# Altium PCB Spektrop2_Processor_Board_V1.PcbDoc (part 2 of 4) (continued)
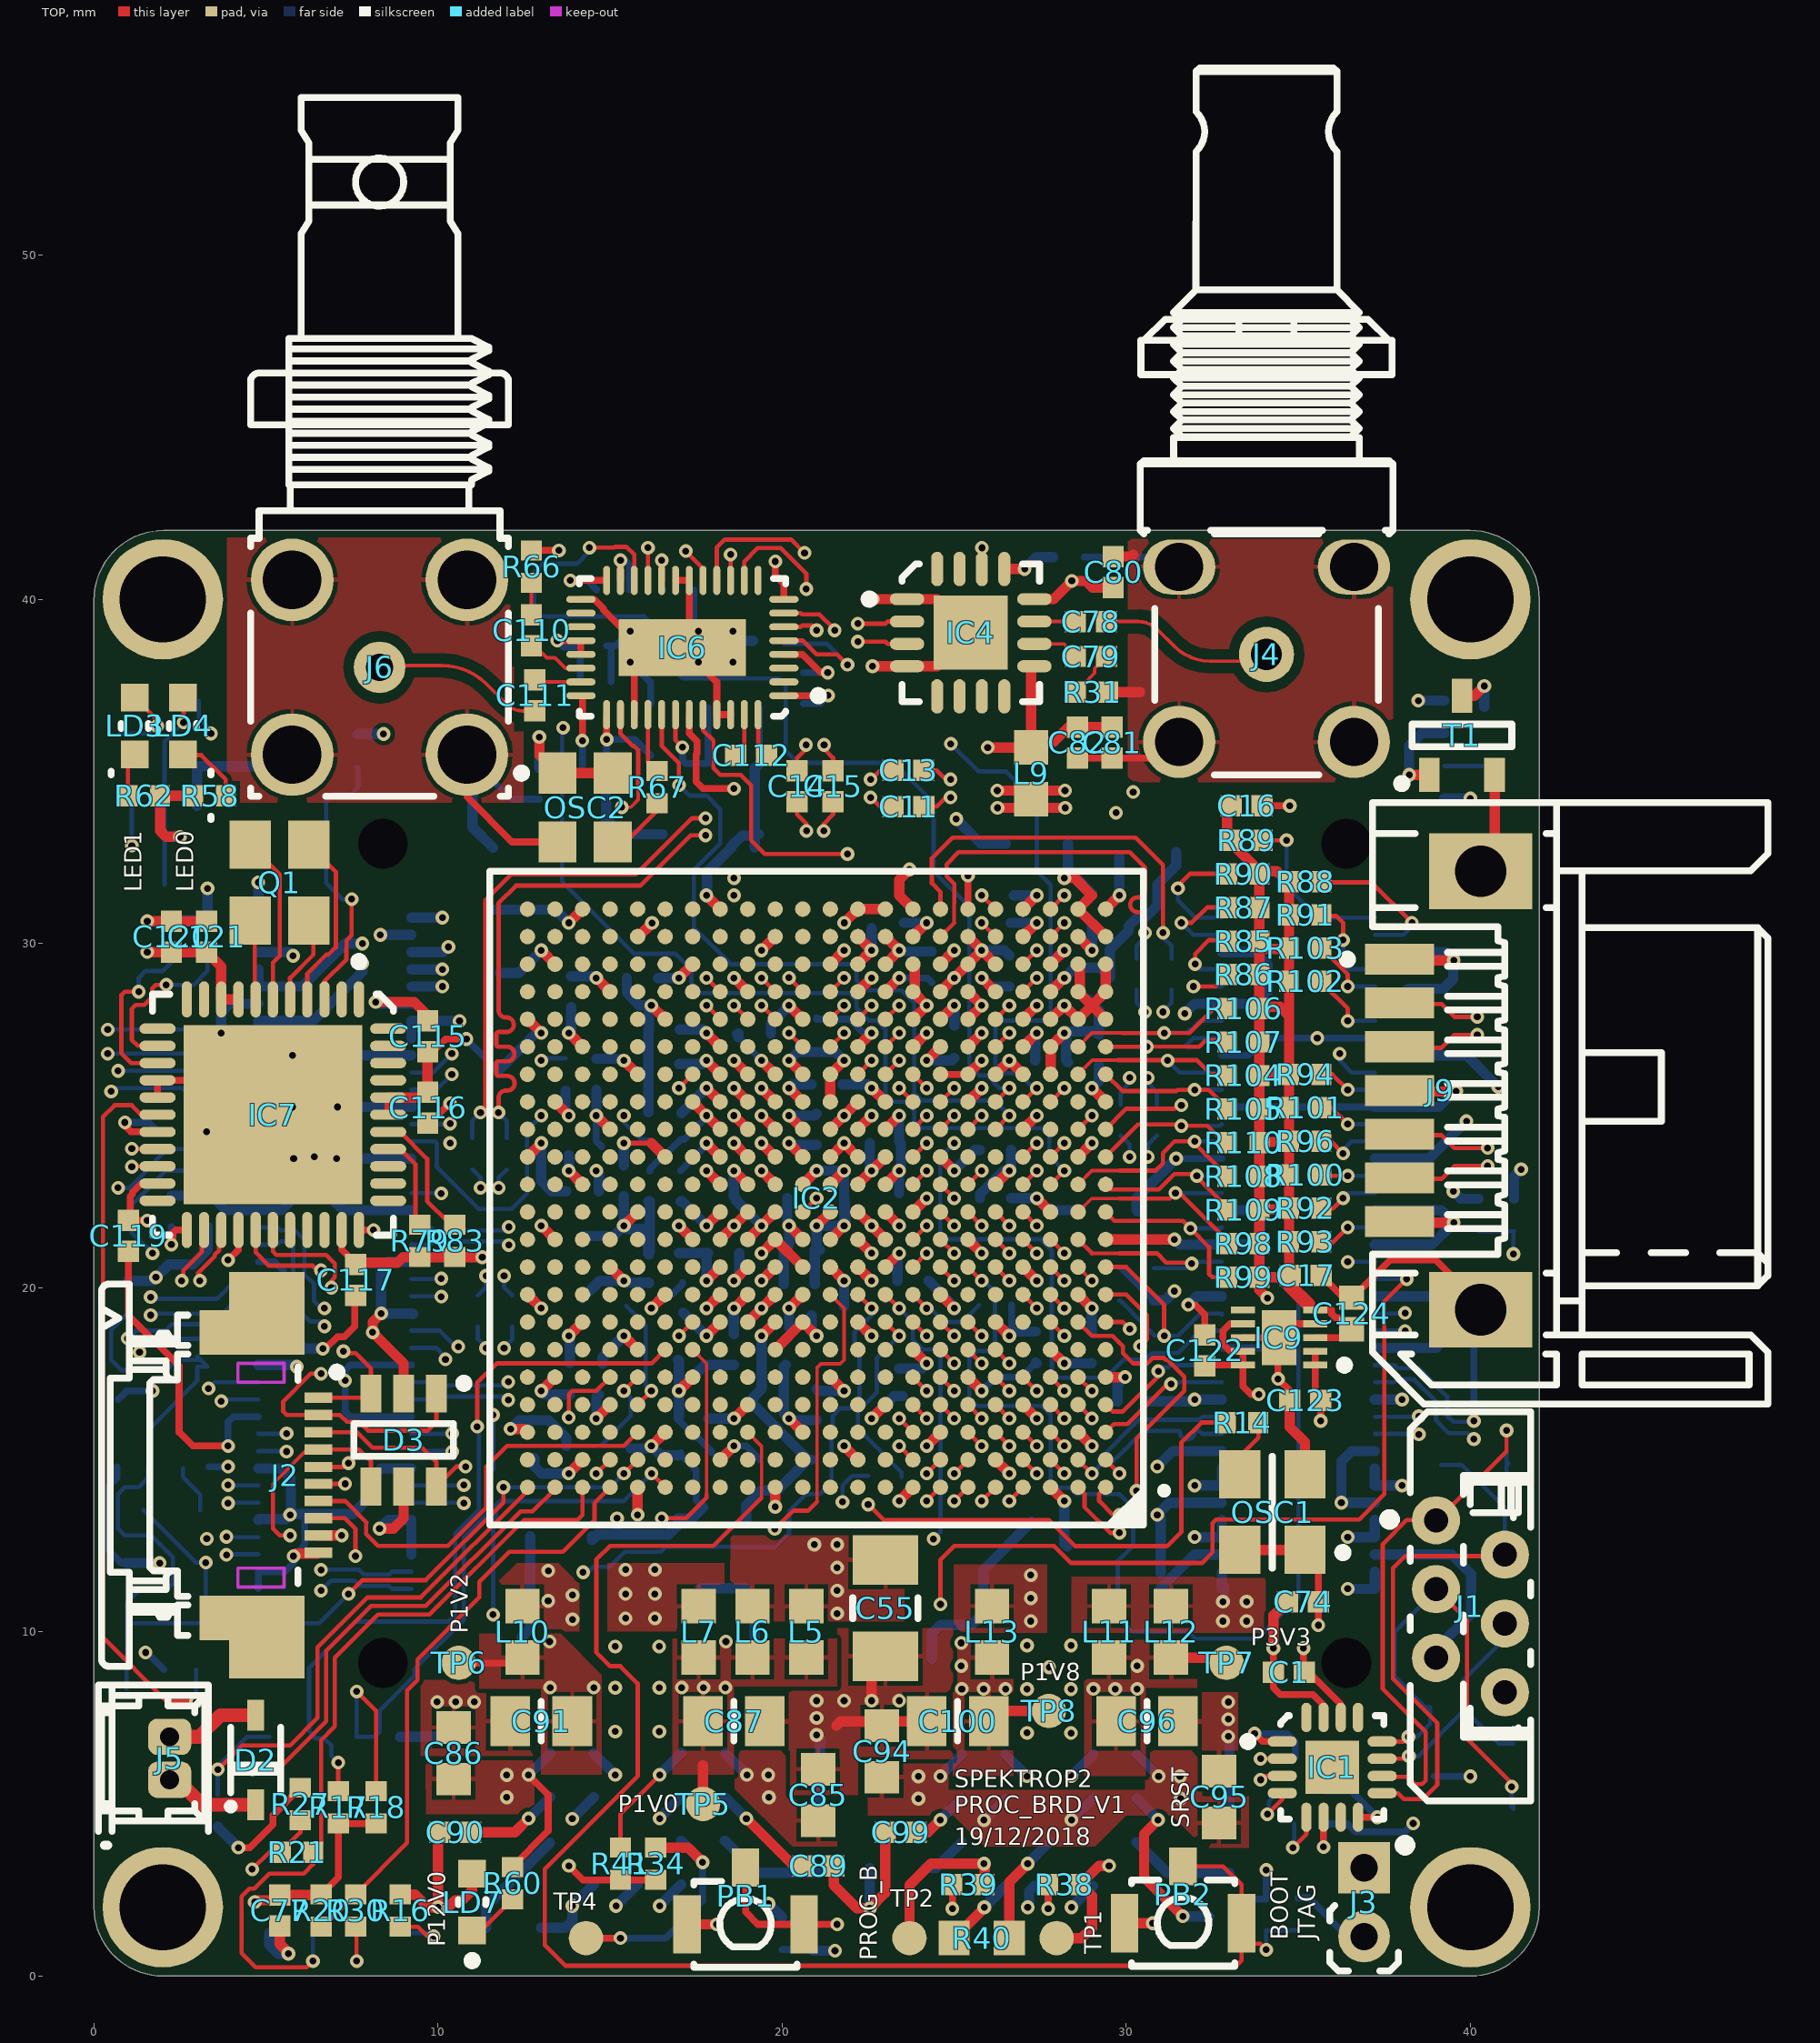
[diagram p0: TOP view]
## Nets (pads, with @x,y where several pads share a name; then routed paths per layer and width w, separated by ;. In a path a pad name is that pad's centre, name@x,y a point inside that pad or via, vN(x,y) a via of type N, cw(c..) or ccw(c..) an arc to the next point about the centre after c; other vN are vias at no path point) (continued)
  BTM w0.125: v1(11.918,20.345) 11.918,20.015 C7.2@12.158,19.776
CLK_MGT1_C_P: C6.2 IC2.U5 | length 36.2
  TOP w0.125: IC2.U5@26.199,27 v1(26.599,27.4)
  L2 w0.1: v1(11.393,20.345) 11.393,20.35 11.763,20.72 12.963,20.72 15.243,23 19.568,23 20.989,24.421 20.989,29.787 19.376,31.4 v1(18.6,31.4)
  L5 w0.1: v1(18.6,31.4) 18.7,31.5 19.324,31.5 19.9,32.076 19.9,33.6 20.2,33.9 21.5,33.9 22.5,32.9 25.558,32.9 26.229,32.23 26.229,27.77 v1(26.599,27.4)
  BTM w0.125: C6.2@11.153,19.776 11.393,20.015 v1(11.393,20.345)
CLK_MGT1_N: C7.1 IC7.24 | length 15.2
  TOP w0.125: v1(2.552,20.2) 2.6,20.248 2.6,20.5 3.137,21.037 3.137,21.612 IC7.24@3.2,21.675
  L2 w0.1: v1(2.552,20.2) v1@2.665,20.087
  L5 w0.1: v1(2.552,20.2) 2.665,20.087 2.665,19.735 5.946,16.454 10.24,16.454 10.386,16.6 11.324,16.6 11.6,16.876 11.6,17.57 11.806,17.776 11.806,18.129 v1(11.918,18.241) v1@11.918,18.132
  BTM w0.125: v1(11.918,18.241) 11.918,18.263 12.158,18.503 C7.1@12.158,18.876
CLK_MGT1_P: C6.1 IC7.25 | length 15
  TOP w0.125: v1(3.077,20.2) 3.03,20.248 3.03,20.43 3.512,20.912 3.512,20.961 3.638,21.086 3.638,21.612 IC7.25@3.7,21.675
  L5 w0.1: v1(3.077,20.2) 3.077,19.747 3.224,19.6 ccw(c3.366,19.741) 3.507,19.6 ; 3.507,19.6 3.535,19.628 cw(c3.677,19.487) 3.818,19.628 cw(c3.677,19.487) 3.818,19.345 3.79,19.317 ccw(c3.931,19.176) 3.79,19.034 ccw(c3.931,19.176) 4.073,19.034 4.101,19.063 cw(c4.242,18.921) 4.384,19.063 cw(c4.242,18.921) 4.384,18.78 4.356,18.751 ccw(c4.497,18.61) 4.356,18.469 4.624,18.2 6.07,16.754 10.115,16.754 10.261,16.9 11.2,16.9 11.3,17 11.3,17.694 11.506,17.9 11.506,18.129 v1(11.393,18.241)
  BTM w0.125: C6.1@11.153,18.876 11.153,18.503 11.393,18.263 v1(11.393,18.241)
COAXPRESS_UPLINK: IC2.R3 IC4.14 | length 26.5
  TOP w0.125: IC4.14@25.804,40.881 v1(25.804,41.496) ; IC2.R3@27.799,25.4 v1(28.199,25.8)
  L2 w0.1: v1(28.199,25.8) 28.7,26.3 29.2,26.3 29.8,25.7 30.8,25.7 31.325,26.225 31.355,26.225 32.375,27.245 32.375,30.625 31.9,31.1 31,31.1 29.7,32.4 v1(29.7,33.8) ; v1(30.2,34.4) 30.2,35.3
  L2 w0.125: v1(25.804,41.496) 26.76,41.496 26.783,41.52 27.311,41.52 27.331,41.5 29.2,41.5 30.2,40.5 30.2,35.3
  L5 w0.1: v1(29.7,33.8) 29.6,33.8 29.65,33.85 v1(30.2,34.4)
DONE: IC2.T10 R12.1 T1.1 | length 25.5
  TOP w0.125: IC2.T10@22.199,26.2 v1(22.599,26.6)
  TOP w0.3: v1(38.219,34.897) T1.1@38.803,34.897
  L5 w0.1: v1(22.599,26.6) 22.949,26.95 26.75,26.95 27,27.2 27,32.75 27.65,33.4 35.3,33.4 36.1,34.2 37.522,34.2 v1(38.219,34.897)
  BTM w0.3: v1(38.219,34.897) 38.219,35.744 38.592,36.117 R12.1@39.242,36.117
FPGA_BANK13_IO0: IC2.T16 J7.33 | length 10.9
  TOP w0.125: v1(16.999,25.8) IC2.T16@17.399,26.2
  L2 w0.125: v1(10.094,22.738) 10.657,23.3 13.187,23.3 13.787,23.9 14.8,23.9 15.1,23.6 16.6,23.6 16.9,23.9 16.9,25.7 v1(16.999,25.8)
  BTM w0.125: J7.33@9.225,22.75 10.082,22.75 v1(10.094,22.738)
FPGA_BANK13_IO1: IC2.V13 J7.25 | length 12.2
  TOP w0.125: v1(19.399,28.2) IC2.V13@19.799,27.8
  L2 w0.125: v1@10.487,24.625 11.842,24.625 12.654,25.437 14.937,25.437 16.462,26.962 18.362,26.962 19.399,27.999 v1(19.399,28.2)
  BTM w0.125: J7.25@9.225,24.75 10.337,24.75 v1(10.349,24.763)
FPGA_BANK13_IO2: IC2.V14 J7.21 | length 11
  TOP w0.125: v1(18.599,28.2) IC2.V14@18.999,27.8
  L2 w0.125: v1(10.4,26.2) 14.1,26.2 15.662,27.762 18.162,27.762 v1(18.599,28.2)
  BTM w0.125: J7.21@9.225,25.75 9.95,25.75 v1(10.4,26.2)
FPGA_BANK13_IO3: IC2.V15 J7.19 | length 10.4
  TOP w0.125: v1(17.799,28.2) IC2.V15@18.199,27.8
  L2 w0.125: v1(10.4,26.8) 10.948,26.8 11.153,27.005 14.105,27.005 15.8,28.7 16.5,28.7 17,28.2 v1(17.799,28.2)
  BTM w0.125: J7.19@9.225,26.25 9.85,26.25 v1(10.4,26.8)
FPGA_BANK13_IO4: IC2.W15 J7.28 | length 29
  TOP w0.125: v1(17.799,29) IC2.W15@18.199,28.6
  L2 w0.125: v1(0.5,25.7) 1.45,25.7 1.75,26 1.75,27.55 0.8,28.5 0.8,29.1 1,29.3 2.4,29.3 3.9,27.8 9.7,27.8 10.1,28.2 12.7,28.2 14,29.5 17.299,29.5 v1(17.799,29)
  BTM w0.125: v1(0.5,25.7) 0.6,25.8 2.561,25.8 4.036,24.325 4.7,24.325 J7.28@4.775,24.25
FPGA_BANK13_IO5: IC2.W12 J7.22 | length 32.1
  TOP w0.125: v1(20.199,29.004) IC2.W12@20.599,28.604
  L2 w0.125: v1(0.4,26.8) 0.8,27.2 0.8,27.648 0.276,28.172 0.276,30.776 1.9,32.4 7.4,32.4 8.5,31.3 17.351,31.3 17.851,30.8 19.1,30.8 20.199,29.701 v1(20.199,29.004)
  BTM w0.125: v1(0.4,26.8) 2.8,26.8 3.85,25.75 J7.22@4.775,25.75
FPGA_BANK13_IO6: IC2.W13 J7.26 | length 29.7
  TOP w0.125: v1(19.399,29) IC2.W13@19.799,28.6
  L2 w0.125: v1(0.7,26.3) 1.1,26.7 1.1,27.702 0.526,28.276 0.526,29.326 1.4,30.2 2.3,30.2 3.7,28.8 8.2,28.8 9.7,30.3 13.3,30.3 13.5,30.1 18.299,30.1 v1(19.399,29)
  BTM w0.125: v1(0.7,26.3) 2.663,26.3 4.213,24.75 J7.26@4.775,24.75
FPGA_BANK13_IO7: IC2.V11 J7.34 | length 44.4
  TOP w0.125: IC2.V11@21.399,27.8 v1(21.799,28.2)
  L5 w0.1: v1(1.7,21) 1,21 0.3,21.7 0.3,24.9 2.5,27.1 2.5,32.3 3.7,33.5 6.9,33.5 8.15,34.75 8.704,34.75 10.954,32.5 15.5,32.5 17.3,30.7 20.8,30.7 21.338,30.162 21.949,30.162 22.162,29.95 22.162,29.938 22.2,29.9 22.2,28.6 v1(21.799,28.2)
  BTM w0.125: v1(1.7,21) 1.1,21.6 1.1,22.4 1.753,23.053 1.753,23.063 2.09,23.4 3.5,23.4 4.15,22.75 J7.34@4.775,22.75
FPGA_BANK13_IO8: IC2.W11 J7.32 | length 37.8
  TOP w0.125: IC2.W11@21.399,28.6 v1(21.799,29)
  L5 w0.1: v1(0.7,22.9) 0.7,24.168 0.945,24.412 1.112,24.412 1.45,24.75 3,26.3 3,31.37 2.925,31.445 2.925,32.175 3.75,33 6.9,33 8.15,34.25 8.65,34.25 10.9,32 15.4,32 17.1,30.3 20.499,30.3 v1(21.799,29)
  BTM w0.125: v1(0.7,22.9) 1.036,22.9 1.488,23.352 1.488,23.388 2.127,24.027 3.434,24.027 4.211,23.25 J7.32@4.775,23.25 J7.32@4.814,23.25
FPGA_BANK13_IO9: IC2.U11 J7.20 | length 40.3
  TOP w0.125: IC2.U11@21.399,27 v1(21.799,27.4)
  L5 w0.1: v1(0.4,27.5) 0.5,27.6 0.5,33.25 1.25,34 6.9,34 8.15,35.25 8.85,35.25 11.1,33 15.6,33 17.563,31.037 17.949,31.037 ; 17.95,31.038 22.062,31.038 23,30.1 23,28 22.8,27.8 22.2,27.8 v1(21.799,27.4)
  BTM w0.125: v1(0.4,27.5) 2.8,27.5 4.05,26.25 J7.20@4.775,26.25
FPGA_BANK13_IO10: IC2.U12 J7.27 | length 17.1
  TOP w0.125: v1(20.199,27.4) IC2.U12@20.599,27
  L2 w0.125: v1(12.999,25) 13.505,24.494 13.994,24.494 14.1,24.6 15.7,24.6 16,24.9 16,25.7 16.6,26.3 17.4,26.3 17.5,26.2 18.712,26.2 19.037,26.524 19.037,26.75 19.686,27.4 v1(20.199,27.4)
  BTM w0.125: J7.27@9.225,24.25 9.913,24.25 9.961,24.202 9.961,23.512 11.189,22.284 12.141,22.284 12.585,22.728 12.585,24.578 v1@13.003,24.996
FPGA_BANK34_DIFF1_N: IC2.E7 J7.45 | length 19.8
  TOP w0.125: IC2.E7@24.599,17.4 v1(24.999,17)
  L5 w0.1: v1(10.094,19.738) 10.207,19.85 10.5,19.85 10.85,19.5 11.9,19.5 15.1,16.3 16.1,16.3 17.9,14.5 20.4,14.5 22.7,16.8 23.904,16.8 24.054,16.65 24.649,16.65 v1(24.999,17)
  BTM w0.125: J7.45@9.225,19.75 10.082,19.75 v1(10.094,19.738)
FPGA_BANK34_DIFF1_P: IC2.F7 J7.43 | length 19.9
  TOP w0.125: IC2.F7@24.599,18.2 v1(24.999,17.8)
  L5 w0.1: v1(10.094,20.263) 10.207,20.15 10.624,20.15 10.974,19.8 12.024,19.8 15.224,16.6 16.224,16.6 18.024,14.8 20.276,14.8 22.576,17.1 23.805,17.1 24.054,17.35 24.549,17.35 v1(24.999,17.8)
  BTM w0.125: J7.43@9.225,20.25 10.082,20.25 v1(10.094,20.263)
FPGA_BANK34_DIFF2_N: IC2.D6 J7.69 | length 18.5
  TOP w0.125: IC2.D6@25.399,16.6 v1(25.799,16.2)
  L2 w0.1: v1(10.75,13.737) 10.863,13.85 11.2,13.85 11.55,13.5 13.524,13.5 13.824,13.8 17.124,13.8 17.724,14.4 21.3,14.4 21.6,14.7 23.805,14.7 24.054,14.95 24.549,14.95 v1(25.799,16.2)
  BTM w0.125: J7.69@9.225,13.75 10.737,13.75 v1(10.75,13.737)
FPGA_BANK34_DIFF2_P: IC2.D7 J7.67 | length 18.4
  TOP w0.125: IC2.D7@24.599,16.6 v1(24.999,16.2)
  L2 w0.1: v1@10.755,14.262 v1(10.75,14.262) 10.863,14.15 11.324,14.15 11.674,13.8 12.2,13.8 ccw(c12.2,14) 12.4,14 12.4,14.1 cw(c12.6,14.1) 12.6,14.3 cw(c12.6,14.1) 12.8,14.1 12.8,14 ccw(c13,14) 13,13.8 13.1,13.8 13.4,13.8 13.7,14.1 17,14.1 17.6,14.7 21.176,14.7 21.476,15 23.68,15 23.849,15.169 23.849,15.545 24.054,15.75 24.549,15.75 v1(24.999,16.2)
  BTM w0.125: J7.67@9.225,14.25 10.738,14.25 v1(10.75,14.262)
FPGA_BANK34_DIFF3_N: IC2.D8 J7.57 | length 16.7
  TOP w0.125: IC2.D8@23.799,16.6 v1(24.199,16.2)
  L2 w0.1: v1(12.042,16.738) 12.155,16.85 12.4,16.85 12.6,16.65 13.144,16.65 13.295,16.8 14.524,16.8 15.124,17.4 17.2,17.4 17.4,17.6 22.6,17.6 23.75,16.45 23.9,16.45 23.949,16.45 v1(24.199,16.2)
  BTM w0.125: J7.57@9.225,16.75 9.787,16.75 9.875,16.838 v1@12,16.838 ; v1@12.03,16.75 v1(12.042,16.738)
FPGA_BANK34_DIFF3_P: IC2.E8 J7.55 | length 16.5
  TOP w0.125: IC2.E8@23.799,17.4 v1(24.199,17)
  L2 w0.1: v1(12.042,17.263) 12.102,17.202 12.155,17.15 12.655,17.15 12.854,17.35 13.144,17.35 13.394,17.1 14.4,17.1 15,17.7 17.076,17.7 17.276,17.9 22.724,17.9 23.625,17 v1(24.199,17)
  BTM w0.125: J7.55@9.225,17.25 9.787,17.25 9.875,17.163 v1@12,17.163 ; v1@12.03,17.25 v1(12.042,17.263)
FPGA_BANK34_DIFF4_N: IC2.G7 J7.39 | length 18.8
  TOP w0.125: IC2.G7@24.599,19 v1(24.999,18.6)
  L5 w0.1: v1(12.052,21.238) 12.165,21.35 12.3,21.35 14.6,19.05 14.6,18.276 15.176,17.7 23.605,17.7 24.054,18.15 24.549,18.15 v1(24.999,18.6)
  BTM w0.125: J7.39@9.248,21.273 J7.39@9.225,21.25 9.787,21.25 9.875,21.338 11.952,21.338 v1(12.052,21.238)
FPGA_BANK34_DIFF4_P: IC2.G8 J7.37 | length 18.5
  TOP w0.125: IC2.G8@23.799,19 v1(24.199,18.6)
  L5 w0.1: v1(12.052,21.763) 12.165,21.65 12.424,21.65 12.774,21.3 ccw(c12.916,21.441) 13.057,21.3 13.128,21.371 cw(c13.269,21.229) 13.411,21.371 cw(c13.269,21.229) 13.411,21.088 13.34,21.017 ccw(c13.481,20.876) 13.34,20.734 13.481,20.593 13.5,20.574 14.9,19.174 14.9,18.4 15.3,18 23.48,18 23.93,18.45 24.049,18.45 v1(24.199,18.6)
  BTM w0.125: J7.37@9.225,21.75 9.787,21.75 9.875,21.663 11.952,21.663 v1(12.052,21.763)
FPGA_BANK34_DIFF5_N: IC2.E5 J7.51 | length 25.4
  TOP w0.125: IC2.E5@26.199,17.4 v1(26.599,17)
  L2 w0.1: v1(10.215,17.915) 10.215,18.074 9.906,18.382 9.906,19.006 10.1,19.2 12.124,19.2 12.424,18.9 13.18,18.9 13.88,19.6 15.4,19.6 16.9,21.1 19.049,21.1 19.049,21.145 19.254,21.35 19.544,21.35 19.794,21.1 22.205,21.1 22.454,21.35 22.744,21.35 23.049,21.045 23.049,20.855 23.579,20.325 24.299,20.325 24.875,19.75 25.144,19.75 25.394,19.5 26.624,19.5 27.5,18.624 27.5,17.625 27.124,17.25 26.849,17.25 v1(26.599,17)
  BTM w0.125: J7.51@9.225,18.25 9.95,18.25 10.215,17.985 v1(10.215,17.915)
FPGA_BANK34_DIFF5_P: IC2.F5 J7.49 | length 25.4
  TOP w0.125: IC2.F5@26.199,18.2 v1(26.599,17.8)
  L2 w0.1: v1(10.586,18.286) 10.427,18.286 10.206,18.506 10.206,18.806 10.3,18.9 12,18.9 12.3,18.6 13.305,18.6 14.005,19.3 15.524,19.3 16.1,19.876 16.241,20.017 16.383,20.159 cw(c16.524,20.017) 16.666,20.159 16.679,20.145 ccw(c16.82,20.287) 16.962,20.145 ccw(c16.82,20.287) 16.962,20.428 16.949,20.441 cw(c17.09,20.583) 16.949,20.724 17.024,20.8 17.224,20.8 17.573,20.8 cw(c17.573,20.749) 17.624,20.749 ccw(c17.824,20.749) 17.824,20.549 ccw(c17.824,20.749) 18.024,20.749 cw(c18.075,20.749) 18.075,20.8 18.373,20.8 cw(c18.373,20.749) 18.424,20.749 ccw(c18.624,20.749) 18.624,20.549 ccw(c18.624,20.749) 18.824,20.749 cw(c18.875,20.749) 18.875,20.8 19.1,20.8 19.25,20.65 19.544,20.65 19.695,20.8 19.895,20.8 20.095,20.8 cw(c20.095,20.6) 20.295,20.6 20.295,20.581 ccw(c20.495,20.581) 20.495,20.381 ccw(c20.495,20.581) 20.695,20.581 20.695,20.6 cw(c20.895,20.6) 20.895,20.8 21.5,20.8 22.2,20.8 22.35,20.65 22.83,20.65 23.454,20.025 24.175,20.025 24.649,19.551 24.649,19.255 24.854,19.05 25.144,19.05 25.295,19.2 26.5,19.2 27.2,18.5 27.2,17.75 27,17.55 26.849,17.55 v1(26.599,17.8)
  BTM w0.125: J7.49@9.225,18.75 10.051,18.75 10.515,18.286 v1(10.586,18.286)
FPGA_BANK34_DIFF6_N: IC2.F6 J7.40 | length 27.5
  TOP w0.125: IC2.F6@25.399,18.2 v1(25.799,17.8)
  L5 w0.1: v1(6.7,18.875) 6.825,19 7.4,19 9.2,20.8 10.5,20.8 11.925,22.225 15.575,22.225 17,20.8 19,20.8 19.15,20.65 19.544,20.65 19.695,20.8 22.2,20.8 22.35,20.65 22.744,20.65 23.294,20.1 24,20.1 24.649,19.451 24.649,19.255 24.854,19.05 25.05,19.05 25.449,18.651 25.449,18.455 25.799,18.105 v1(25.799,17.8)
  BTM w0.125: J7.40@4.775,21.25 5.338,21.25 5.425,21.338 5.703,21.338 5.788,21.253 5.788,20.253 6.075,19.965 6.075,19.225 6.288,19.012 6.7,19.012 v1(6.7,18.875)
FPGA_BANK34_DIFF6_P: IC2.G6 J7.38 | length 27.3
  TOP w0.125: IC2.G6@25.399,19 v1(25.799,18.6)
  L5 w0.1: v1(6.7,19.4) 6.8,19.3 7.276,19.3 9.076,21.1 10.376,21.1 11.801,22.525 15.699,22.525 17.124,21.1 19,21.1 19.25,21.35 19.544,21.35 19.794,21.1 22.2,21.1 22.245,21.145 22.249,21.145 22.454,21.35 22.744,21.35 23.049,21.045 23.049,20.855 23.504,20.4 24.124,20.4 24.775,19.75 25.144,19.75 25.349,19.545 25.349,19.05 v1(25.799,18.6)
  BTM w0.125: J7.38@4.775,21.75 5.338,21.75 5.425,21.663 5.837,21.663 6.113,21.387 6.113,20.387 6.4,20.1 6.4,19.6 6.6,19.4 v1(6.7,19.4)
FPGA_BANK34_DIFF7_N: IC2.B8 J7.63 | length 16
  TOP w0.125: v1(23.399,15.4) IC2.B8@23.799,15
  L2 w0.1: v1(10.411,15.237) 10.464,15.291 10.554,15.2 14.624,15.2 15.424,16 17.859,16 18.559,16.7 20.994,16.7 22.194,15.5 23.299,15.5 v1(23.399,15.4)
  BTM w0.125: J7.63@9.225,15.25 10.398,15.25 v1(10.411,15.237)
FPGA_BANK34_DIFF7_P: IC2.C8 J7.61 | length 16.1
  TOP w0.125: v1(23.399,16.2) IC2.C8@23.799,15.8
  L2 w0.1: v1(10.411,15.762) 10.416,15.762 10.678,15.5 14.5,15.5 15.3,16.3 17.734,16.3 18.434,17 21.118,17 22.318,15.8 23,15.8 v1(23.399,16.2)
  BTM w0.125: J7.61@9.225,15.75 10.398,15.75 v1(10.411,15.762)
FPGA_BANK34_DIFF8_N: IC2.B6 J7.64 | length 23.5
  TOP w0.125: v1(24.999,14.6) IC2.B6@25.399,15
  L2 w0.1: v1(5.6,15.238) 5.713,15.35 7.48,15.35 10.63,12.2 20.052,12.2 20.763,12.911 23.835,12.911 24.2,13.276 24.206,13.276 24.574,13.644 24.574,14.175 v1(24.999,14.6)
  BTM w0.125: J7.64@4.775,15.25 5.587,15.25 v1(5.6,15.238)
FPGA_BANK34_DIFF8_P: IC2.B7 J7.62 | length 23.4
  TOP w0.125: v1(24.199,14.6) IC2.B7@24.599,15
  L2 w0.1: v1(5.6,15.763) 5.712,15.65 6,15.65 ccw(c6,15.85) 6.2,15.85 6.2,15.95 cw(c6.4,15.95) 6.4,16.15 cw(c6.4,15.95) 6.6,15.95 6.6,15.85 ccw(c6.8,15.85) 6.8,15.65 7,15.65 7.4,15.65 7.605,15.65 7.746,15.509 7.827,15.427 10.755,12.5 19.928,12.5 20.639,13.211 23.711,13.211 23.824,13.324 23.824,14.225 v1(24.199,14.6)
  BTM w0.125: J7.62@4.775,15.75 5.587,15.75 v1(5.6,15.763)
FPGA_BANK34_DIFF9_N: IC2.A6 J7.70 | length 26.7
  TOP w0.125: v1(24.999,13.8) IC2.A6@25.399,14.2
  L5 w0.1: v1(3.9,13.737) 4.013,13.85 6.2,13.85 6.55,13.5 9.1,13.5 10.1,12.5 17.1,12.5 19.9,9.7 21.824,9.7 22.9,10.776 22.9,11.901 23.499,12.5 ; 23.5,12.5 24.8,13.8 v1(24.999,13.8)
  BTM w0.125: v1(3.9,13.737) 3.913,13.75 J7.70@4.775,13.75
FPGA_BANK34_DIFF9_P: IC2.A7 J7.68 | length 26.5
  TOP w0.125: v1(24.199,13.8) IC2.A7@24.599,14.2
  L5 w0.1: v1(3.9,14.262) 4.013,14.15 4.3,14.15 ccw(c4.3,14.35) 4.5,14.35 4.5,14.45 cw(c4.7,14.45) 4.7,14.65 cw(c4.7,14.45) 4.9,14.45 4.9,14.35 ccw(c5.1,14.35) 5.1,14.15 5.3,14.15 5.6,14.15 6.324,14.15 6.674,13.8 9.224,13.8 10.224,12.8 17.224,12.8 20.024,10 21.7,10 22.6,10.9 22.6,12.025 23.375,12.8 24.199,13.623 v1(24.199,13.8)
  BTM w0.125: v1(3.9,14.262) 3.913,14.25 J7.68@4.775,14.25
FPGA_BANK34_DIFF10_N: IC2.A4 J7.79 | length 26.9
  TOP w0.125: v1(26.599,13.8) IC2.A4@26.999,14.2
  L5 w0.1: v1(6.6,11.2) 6.75,11.35 7.12,11.35 7.245,11.475 8.901,11.475 11.476,8.9 22.224,8.9 24.162,10.838 24.162,11.338 26.174,13.35 26.174,13.375 v1(26.599,13.8)
  BTM w0.125: v1(6.6,11.2) 6.888,11.488 7.561,11.488 7.711,11.337 8.575,11.337 8.663,11.25 J7.79@9.225,11.25
FPGA_BANK34_DIFF10_P: IC2.A5 J7.77 | length 27
  TOP w0.125: v1(25.799,13.8) IC2.A5@26.199,14.2
  L5 w0.1: v1(6.6,11.8) 7.4,11.8 7.6,11.8 8,11.8 8.4,11.8 8.8,11.8 9,11.8 9.141,11.659 9.283,11.517 ccw(c9.424,11.659) 9.566,11.517 9.568,11.519 cw(c9.709,11.378) 9.851,11.519 cw(c9.709,11.378) 9.851,11.237 9.849,11.234 ccw(c9.99,11.093) 9.849,10.951 ccw(c9.99,11.093) 10.131,10.951 10.134,10.954 cw(c10.275,10.812) 10.417,10.954 cw(c10.275,10.812) 10.417,10.671 10.414,10.669 ccw(c10.556,10.527) 10.414,10.386 10.65,10.15 11.6,9.2 22.1,9.2 23.862,10.962 23.862,11.462 25.799,13.399 v1(25.799,13.8)
  BTM w0.125: v1(6.6,11.8) 6.67,11.73 6.753,11.813 7.695,11.813 7.845,11.662 8.575,11.662 8.663,11.75 J7.77@9.225,11.75
FPGA_BANK34_DIFF11_N: IC2.C5 J7.58 | length 35.1
  TOP w0.125: IC2.C5@26.199,15.8 v1(26.599,15.4)
  L2 w0.1: v1(3.7,16.7) 3.7,16.859 3.87,17.03 4.17,17.03 4.4,16.8 4.4,11.076 5.088,10.388 10.186,10.388 11.674,8.9 21.555,8.9 26.174,13.52 26.174,14.975 v1(26.599,15.4)
  BTM w0.125: v1(3.7,16.7) 3.75,16.75 J7.58@4.775,16.75
FPGA_BANK34_DIFF11_P: IC2.C6 J7.56 | length 35
  TOP w0.125: IC2.C6@25.399,15.8 v1(25.799,15.4)
  L2 w0.1: v1(3.329,17.071) 3.488,17.071 3.746,17.33 4.295,17.33 4.7,16.924 4.7,11.2 5.212,10.688 10.311,10.688 11.799,9.2 21.43,9.2 25.424,13.194 25.424,13.955 25.799,14.33 v1(25.799,15.4)
  BTM w0.125: v1(3.329,17.071) 3.508,17.25 J7.56@4.775,17.25
FPGA_BANK34_DIFF12_N: IC2.C4 J7.46 | length 47.2
  TOP w0.125: v1(1.65,19.2) v1@1.65,19.25 ; IC2.C4@26.999,15.8 v1(27.399,15.4)
  L2 w0.1: v1(1.65,19.2) 1.763,19.313 2.182,19.313 2.3,19.195 2.3,18.8 2.3,18.6 2.3,18.286 cw(c2.214,18.286) 2.214,18.2 ccw(c2.214,18) 2.014,18 ccw(c2.214,18) 2.214,17.8 cw(c2.214,17.714) 2.3,17.714 2.3,17.4 2.3,17.142 2.1,16.942 2.1,16.742 2.1,16.342 2.1,16.3 2.1,12.34 2.285,12.155 2.285,11.715 6.5,7.5 7.976,7.5 9.151,6.325 23.549,6.325 24.5,7.276 24.5,9.7 27.5,12.7 27.5,14.205 27.749,14.455 27.749,15.05 v1(27.399,15.4)
  BTM w0.125: v1(1.65,19.2) 1.7,19.25 3.752,19.25 4.252,19.75 J7.46@4.775,19.75 J7.46@4.814,19.75
FPGA_BANK34_DIFF12_P: IC2.D5 J7.44 | length 47.1
  TOP w0.125: IC2.D5@26.199,16.6 v1(26.599,16.2)
  L2 w0.1: v1(1.65,19.725) 1.762,19.613 2.306,19.613 2.6,19.319 2.6,17.018 2.4,16.818 2.4,12.465 2.585,12.28 2.585,11.839 6.624,7.8 8.1,7.8 9.275,6.625 23.425,6.625 24.2,7.4 24.2,9.824 27.2,12.824 27.2,14.268 27.026,14.442 27.026,15.773 v1(26.599,16.2)
  BTM w0.125: v1(1.65,19.725) 1.7,19.675 3.576,19.675 4.151,20.25 J7.44@4.775,20.25 J7.44@4.814,20.25
FPGA_BANK34_DIFF13_N: IC2.B3 J7.76 | length 35.7
  TOP w0.125: IC2.B3@27.799,15 v1(28.199,14.6)
  L5 w0.1: v1(3.85,12.237) 3.963,12.35 4.5,12.35 4.8,12.05 4.8,9.1 7.575,6.325 23.649,6.325 24.3,6.976 24.3,9.376 27.699,12.775 27.699,14.1 v1(28.199,14.6)
  BTM w0.125: v1(3.85,12.237) 3.863,12.25 J7.76@4.775,12.25
FPGA_BANK34_DIFF13_P: IC2.B4 J7.74 | length 35.7
  TOP w0.125: IC2.B4@26.999,15 v1(27.399,14.6)
  L5 w0.1: v1(3.85,12.762) 3.962,12.65 4.624,12.65 5.1,12.174 5.1,11.974 5.1,11.574 5.1,11.374 ccw(c5.3,11.374) 5.3,11.174 5.4,11.174 cw(c5.4,10.974) 5.6,10.974 cw(c5.4,10.974) 5.4,10.774 5.3,10.774 ccw(c5.3,10.574) 5.1,10.574 5.1,10.4 5.1,9.224 7.699,6.625 23.525,6.625 24,7.1 24,9.5 27.399,12.899 v1(27.399,14.6)
  BTM w0.125: v1(3.85,12.762) 3.862,12.75 J7.74@4.775,12.75
FPGA_BANK34_DIFF14_N: IC2.C3 J8.61 | length 12.8
  TOP w0.125: IC2.C3@27.799,15.8 v1(28.199,15.4)
  L5 w0.1: v1(28.199,15.4) 28.549,15.05 29.144,15.05 29.57,15.475 30.555,15.475 30.73,15.3 36.724,15.3 37.224,15.8 38.437,15.8 v1(38.5,15.737)
  BTM w0.125: J8.61@37.225,15.75 38.487,15.75 v1(38.5,15.737)
FPGA_BANK34_DIFF14_P: IC2.D3 J8.59 | length 12.7
  TOP w0.125: IC2.D3@27.799,16.6 v1(28.199,16.2)
  L5 w0.1: v1(28.199,16.2) 28.649,15.75 29.144,15.75 29.17,15.775 30.68,15.775 30.855,15.6 36.6,15.6 37.113,16.113 38.35,16.113 v1(38.5,16.262)
  BTM w0.125: J8.59@37.225,16.25 38.487,16.25 v1(38.5,16.262)
FPGA_BANK34_DIFF15_N: IC2.A1 J7.52 | length 58.6
  TOP w0.125: IC2.A1@29.399,14.2 29.212,14.012 29.212,13.8 29.612,13.4 v1(29.8,13.4)
  L2 w0.1: v1(1.325,18.125) 1.166,18.125 0.87,17.83 0.87,11.024 1.195,10.7 ccw(c1.336,10.841) 1.477,10.7 1.535,10.758 cw(c1.676,10.616) 1.818,10.758 cw(c1.676,10.616) 1.818,10.475 1.76,10.417 ccw(c1.902,10.276) 1.76,10.134 ccw(c1.902,10.276) 2.043,10.134 2.101,10.192 cw(c2.242,10.05) 2.384,10.192 cw(c2.242,10.05) 2.384,9.909 2.326,9.851 ccw(c2.467,9.71) 2.326,9.569 ccw(c2.467,9.71) 2.609,9.569 2.666,9.626 cw(c2.808,9.485) 2.949,9.626 cw(c2.808,9.485) 2.949,9.343 2.892,9.286 ccw(c3.033,9.144) 2.892,9.003 2.912,8.982 9.095,2.8 27.8,2.8 29.4,4.4 29.4,6.224 30.994,7.818 30.994,10.106 30.4,10.7 29.676,10.7 28.7,11.676 28.7,12.812 29.176,13.288 29.688,13.288 v1(29.8,13.4)
  BTM w0.125: v1(1.325,18.125) 1.603,18.403 2.337,18.403 2.447,18.513 3.653,18.513 3.915,18.25 J7.52@4.775,18.25 J7.52@4.814,18.25
FPGA_BANK34_DIFF15_P: IC2.A2 J7.50 | length 58.6
  TOP w0.125: IC2.A2@28.599,14.2 28.787,14.012 28.787,13.624 29.536,12.875 v1(29.8,12.875)
  L2 w0.1: v1(0.981,18.523) 0.981,18.364 0.57,17.954 0.57,10.9 8.97,2.5 27.924,2.5 29.7,4.276 29.7,6.1 31.3,7.7 31.3,7.8 31.294,7.806 31.294,10.23 30.524,11 29.8,11 29,11.8 29,12.688 29.3,12.988 29.687,12.988 v1(29.8,12.875)
  BTM w0.125: v1(0.981,18.523) 1.208,18.75 2.084,18.75 2.271,18.938 3.829,18.938 4.016,18.75 J7.50@4.775,18.75 J7.50@4.814,18.75
FPGA_BANK34_DIFF16_N: IC2.C1 J8.56 | length 4.1
  TOP w0.125: IC2.C1@29.399,15.8 29.637,16.037 30.035,16.037 v1@31.198,17.2 ; v1@31.159,17.2 v1@31.198,17.2 ; v1@31.254,17.256 31.249,17.251 v1@31.198,17.2 ; v1(31.3,17.2) v1@31.198,17.2
  BTM w0.125: v1(31.3,17.2) 31.35,17.25 J8.56@32.775,17.25
FPGA_BANK34_DIFF16_P: IC2.D1 J8.54 | length 4.1
  TOP w0.125: IC2.D1@29.399,16.6 29.598,16.401 29.9,16.401 30.929,17.43 v1(30.929,17.571)
  BTM w0.125: v1(30.929,17.571) 31.039,17.681 31.22,17.681 31.289,17.75 J8.54@32.775,17.75
FPGA_BANK34_DIFF17_N: IC2.D2 J8.55 | length 17.1
  TOP w0.125: IC2.D2@28.599,16.6 v1(28.999,16.2)
  L2 w0.1: v1(28.999,16.2) 29.2,16.4 30.876,16.4 32.976,14.3 36.824,14.3 37.324,14.8 38.924,14.8 39.724,15.6 v1(40.1,15.6)
  BTM w0.125: J8.55@37.225,17.25 37.787,17.25 37.875,17.338 38.363,17.338 39,16.7 39,16.14 39.365,15.775 39.925,15.775 v1(40.1,15.6)
FPGA_BANK34_DIFF17_P: IC2.E2 J8.53 | length 17.2
  TOP w0.125: IC2.E2@28.599,17.4 v1(28.999,17)
  L2 w0.1: v1(28.999,17) 29.299,16.7 31,16.7 33.1,14.6 36.7,14.6 37.2,15.1 38.8,15.1 39.825,16.125 v1(40.1,16.125)
  BTM w0.125: J8.53@37.225,17.75 37.787,17.75 37.875,17.663 38.497,17.663 39.325,16.835 39.325,16.275 39.5,16.1 v1@40.1,16.1
FPGA_BANK34_DIFF18_N: IC2.B1 J8.62 | length 4.9
  TOP w0.125: IC2.B1@29.399,15 v1(29.799,14.6)
  BTM w0.125: v1(29.799,14.6) 29.562,14.837 29.562,14.9 29.8,15.138 29.95,15.289 30.251,15.589 30.499,15.837 30.712,15.837 31.137,15.837 31.524,15.837 cw(c31.524,15.8) 31.562,15.8 ccw(c31.774,15.8) 31.774,15.587 ccw(c31.774,15.8) 31.987,15.8 31.987,15.837 32,15.837 32.125,15.837 32.213,15.75 J8.62@32.775,15.75
FPGA_BANK34_DIFF18_P: IC2.B2 J8.60 | length 5.1
  TOP w0.125: IC2.B2@28.599,15 v1(28.999,14.6)
  BTM w0.125: v1(28.999,14.6) 29.237,14.837 29.237,15.035 30.365,16.163 32.125,16.163 32.213,16.25 J8.60@32.775,16.25
FPGA_BANK34_DIFF19_N: IC2.H3 J8.49 | length 13.4
  TOP w0.125: IC2.H3@27.799,19.8 v1(28.199,19.4)
  L2 w0.1: v1(28.199,19.4) 28.349,19.55 28.468,19.55 28.709,19.791 29.085,19.791 29.374,20.08 30.266,20.08 31.125,19.22 31.52,18.825 32.08,18.825 32.105,18.85 35.9,18.85 36,18.85 cw(c36,18.65) 36.2,18.65 36.2,18.584 ccw(c36.4,18.584) 36.4,18.384 ccw(c36.4,18.584) 36.6,18.584 36.6,18.65 cw(c36.8,18.65) 36.8,18.85 cw(c36.8,18.65) 37,18.65 37,18.584 ccw(c37.2,18.584) 37.2,18.384 ccw(c37.2,18.584) 37.4,18.584 37.4,18.65 cw(c37.6,18.65) 37.6,18.85 37.987,18.85 v1(38.1,18.738)
  BTM w0.125: J8.49@37.225,18.75 38.088,18.75 v1(38.1,18.738)
FPGA_BANK34_DIFF19_P: IC2.H4 J8.47 | length 13.4
  TOP w0.125: IC2.H4@26.999,19.8 v1(27.399,19.4)
  L2 w0.1: v1(27.399,19.4) 27.849,19.85 28.344,19.85 28.595,20.1 28.595,20.29 28.854,20.55 30.22,20.55 31.425,19.345 31.645,19.125 31.955,19.125 31.98,19.15 37.988,19.15 v1(38.1,19.263)
  BTM w0.125: J8.47@37.225,19.25 38.088,19.25 v1(38.1,19.263)
FPGA_BANK35_HSTL_IN_IO0: IC2.L7 J8.8 R85.1 | length 16
  TOP w0.125: IC2.L7@24.599,22.2 v1(24.999,21.8) ; v1(32,29.4) 32,29.7 32.4,30.1 R85.1@32.93,30.1
  L5 w0.1: v1(24.999,21.8) 25.799,22.6 26.904,22.6 27.305,23 29.2,23 29.4,23.2 29.4,23.95 29.8,24.35 29.8,24.6 31.61,26.41 31.61,27.01 32.1,27.5 32.1,28.095 31.855,28.34 31.56,28.34 31.4,28.5 31.4,29.2 31.6,29.4 v1(32,29.4)
  BTM w0.125: v1(32,29.4) 32.15,29.25 J8.8@32.775,29.25
FPGA_BANK35_HSTL_IN_IO1: IC2.L6 J8.10 R86.1 | length 14.8
  TOP w0.125: IC2.L6@25.399,22.2 v1(25.799,21.8) ; v1(31.95,28.75) 32.588,28.75 R86.1@32.93,29.092
  L5 w0.1: v1(25.799,21.8) 26.249,22.25 29.15,22.25 29.723,22.823 29.723,23.955 29.943,24.175 30.254,24.175 30.264,24.164 31.235,25.135 31.225,25.145 31.225,25.52 31.83,26.125 32.225,26.125 32.5,26.4 32.5,28.6 32.35,28.75 v1(31.95,28.75)
  BTM w0.125: v1(31.95,28.75) J8.10@32.775,28.75
FPGA_BANK35_HSTL_IN_IO2: IC2.M6 J8.4 R87.1 | length 16.6
  TOP w0.125: IC2.M6@25.399,23 v1(25.799,23.4) ; v1(31.6,30.6) 31.9,30.6 32.346,31.046 R87.1@32.93,31.046
  L5 w0.1: v1(25.799,23.4) 26.199,23 26.8,23 27,23.2 27,23.5 27.327,23.827 28.427,23.827 28.6,24 28.6,24.4 28.8,24.6 29.3,24.6 29.8,25.1 29.8,25.868 29.723,25.945 29.723,26.523 30.169,26.969 30.169,30.65 30.318,30.8 31.435,30.8 31.618,30.618 v1@31.635,30.6 ; v1(31.6,30.6) v1@31.635,30.6 ; v1@31.7,30.535 v1@31.635,30.6
  BTM w0.125: 31.797,30.4 31.6,30.597 v1(31.6,30.6) 31.95,30.25 J8.4@32.775,30.25
FPGA_BANK35_HSTL_IN_IO3: IC2.N8 J8.3 R88.1 | length 26.6
  TOP w0.125: IC2.N8@23.799,23.8 v1(24.199,24.2) ; R88.1@35.67,31.775 37.125,31.775 v1(38.3,30.6)
  L5 w0.1: v1(24.199,24.2) 24.199,24.499 24.649,24.949 24.649,25.144 24.854,25.35 26.85,25.35 27,25.5 27,25.895 27.254,26.15 27.65,26.15 28.6,27.1 28.6,31.7 29.4,32.5 35,32.5 37,30.5 38.265,30.5 38.3,30.535 v1(38.3,30.6)
  BTM w0.125: J8.3@37.225,30.25 38.053,30.25 38.3,30.497 v1(38.3,30.6)
FPGA_BANK35_HSTL_IN_IO4: IC2.P8 J8.1 R89.1 | length 22.9
  TOP w0.125: IC2.P8@23.799,24.6 v1(24.199,25) ; R89.1@33.87,33 R89.1@33.97,33 v1(34.66,33) v1@34.698,33
  L5 w0.1: v1(24.199,25) 24.199,25.399 24.25,25.45 24.344,25.45 24.549,25.655 24.549,25.949 24.8,26.2 26.9,26.2 27.749,27.049 27.749,32.249 28.5,33 v1(34.66,33)
  BTM w0.125: v1(34.66,33) 34.66,31.666 35.576,30.75 J8.1@37.225,30.75
FPGA_BANK35_HSTL_IN_IO5: IC2.M8 J8.2 R90.1 | length 18.6
  TOP w0.125: IC2.M8@23.799,23 v1(24.199,23.4) ; v1(31.5,31.6) 31.5,31.675 31.848,32.023 R90.1@32.93,32.023
  L5 w0.1: v1(24.199,23.4) 24.649,23.85 24.649,24.367 24.832,24.55 26.75,24.55 27.049,24.849 27.049,25.195 27.254,25.4 28.3,25.4 28.649,25.749 28.649,26.049 29,26.4 29,26.7 29.35,27.05 29.35,29.995 ; 29.349,29.996 29.349,31.649 29.7,32 31.1,32 v1(31.5,31.6)
  BTM w0.125: v1(31.5,31.6) 31.5,31.248 31.988,30.761 31.988,30.75 J8.2@32.775,30.75
FPGA_BANK35_HSTL_IN_IO6: IC2.M7 J8.7 R91.1 | length 22
  TOP w0.125: IC2.M7@24.599,23 v1(24.999,22.6) ; R91.1@35.67,30.8 36.1,30.8 36.3,30.6 v1(36.3,30.1)
  L5 w0.1: v1(24.999,22.6) 24.999,22.882 25.449,23.332 25.449,23.544 25.654,23.75 26.75,23.75 27.049,24.049 27.049,24.344 27.305,24.6 27.9,24.6 28.65,25.35 29.05,25.35 29.4,25.7 29.4,26.6 29.8,27 29.8,30.7 30.3,31.2 35.2,31.2 v1(36.3,30.1)
  BTM w0.125: v1(36.3,30.1) 36.3,29.385 36.435,29.25 J8.7@37.225,29.25
FPGA_BANK35_HSTL_IN_IO7: IC2.J5 J8.33 R92.1 | length 20
  TOP w0.125: IC2.J5@26.199,20.6 v1(26.599,20.2) ; R92.1@35.77,22.3 36,22.3 v1(36.3,22.6)
  L5 w0.1: v1(26.599,20.2) 26.8,19.999 26.8,19.221 27.2,18.821 27.2,18.304 28.085,17.418 28.475,17.418 28.626,17.267 28.626,16.848 28.869,16.605 29.43,16.605 29.783,16.253 32.649,16.253 36,19.604 36,21.1 36.2,21.3 36.8,21.3 36.997,21.497 36.997,22.4 36.797,22.6 v1(36.3,22.6)
  BTM w0.125: v1(36.3,22.6) 36.45,22.75 J8.33@37.225,22.75
FPGA_BANK35_HSTL_IN_IO8: IC2.K5 J8.37 R93.1 | length 17.9
  TOP w0.125: IC2.K5@26.199,21.4 v1(26.599,21) ; R93.1@35.67,21.3 35.985,21.3 v1(36.435,21.75)
  L5 w0.1: v1(26.599,21) 27.049,20.55 27.049,19.255 27.4,18.904 27.4,18.803 27.989,18.215 28.592,18.215 29.481,17.326 29.481,17.142 29.922,16.7 31.405,16.7 32.475,17.77 33.504,17.77 35.7,19.966 35.7,21.5 35.95,21.75 v1(36.435,21.75)
  BTM w0.125: v1@36.397,21.75 v1(36.435,21.75) J8.37@37.225,21.75
FPGA_BANK35_HSTL_IN_IO9: IC2.J2 J8.21 R94.1 | length 12.8
  TOP w0.1: IC2.J2@28.599,20.6 v1(28.999,20.2)
  TOP w0.125: R94.1@35.67,26.2 35.985,26.2 v1(36.435,25.75)
  L5 w0.1: v1@29.075,20.275 v1(28.999,20.2) 29.6,20.2 30.3,20.9 31.57,20.9 31.745,21.075 31.775,21.075 32.1,21.4 32.533,21.4 33.133,22 33.133,22.942 35.965,25.774 36.411,25.774 v1(36.435,25.75)
  BTM w0.125: v1@36.397,25.75 v1(36.435,25.75) J8.21@37.225,25.75